# KiCad board led_res_0603_order.kicad_pcb
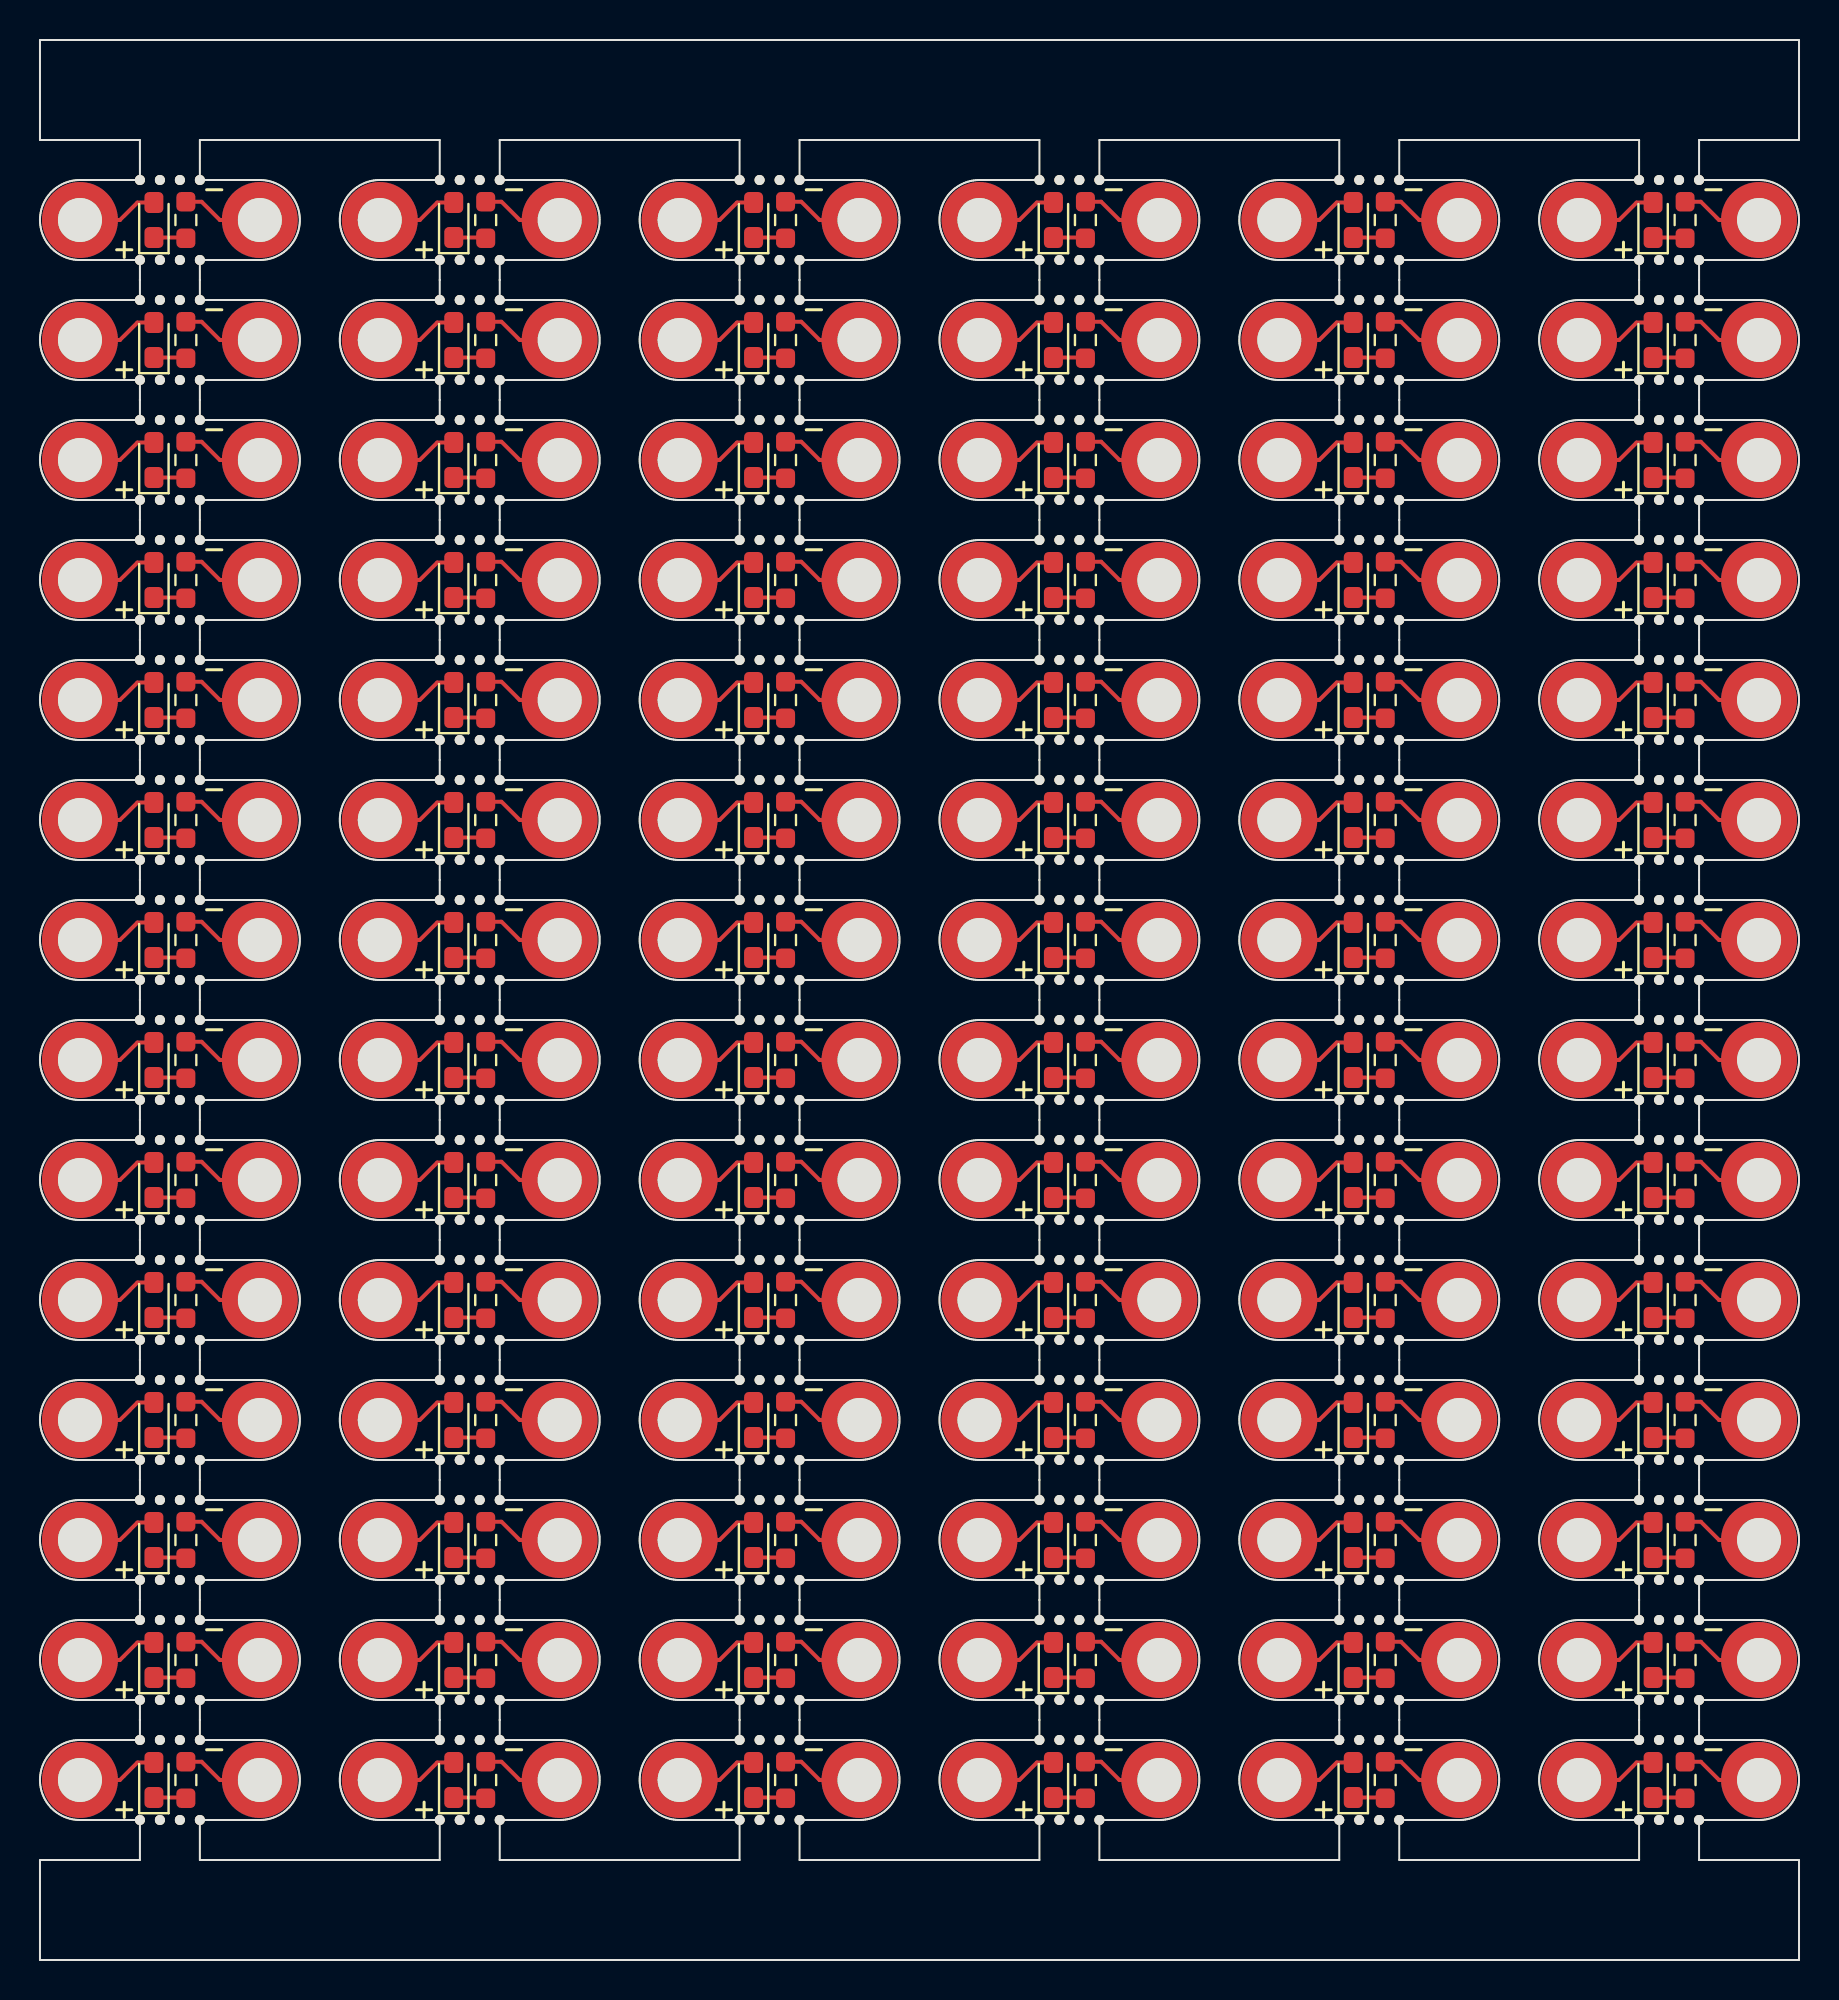
[diagram p0: board, top side]
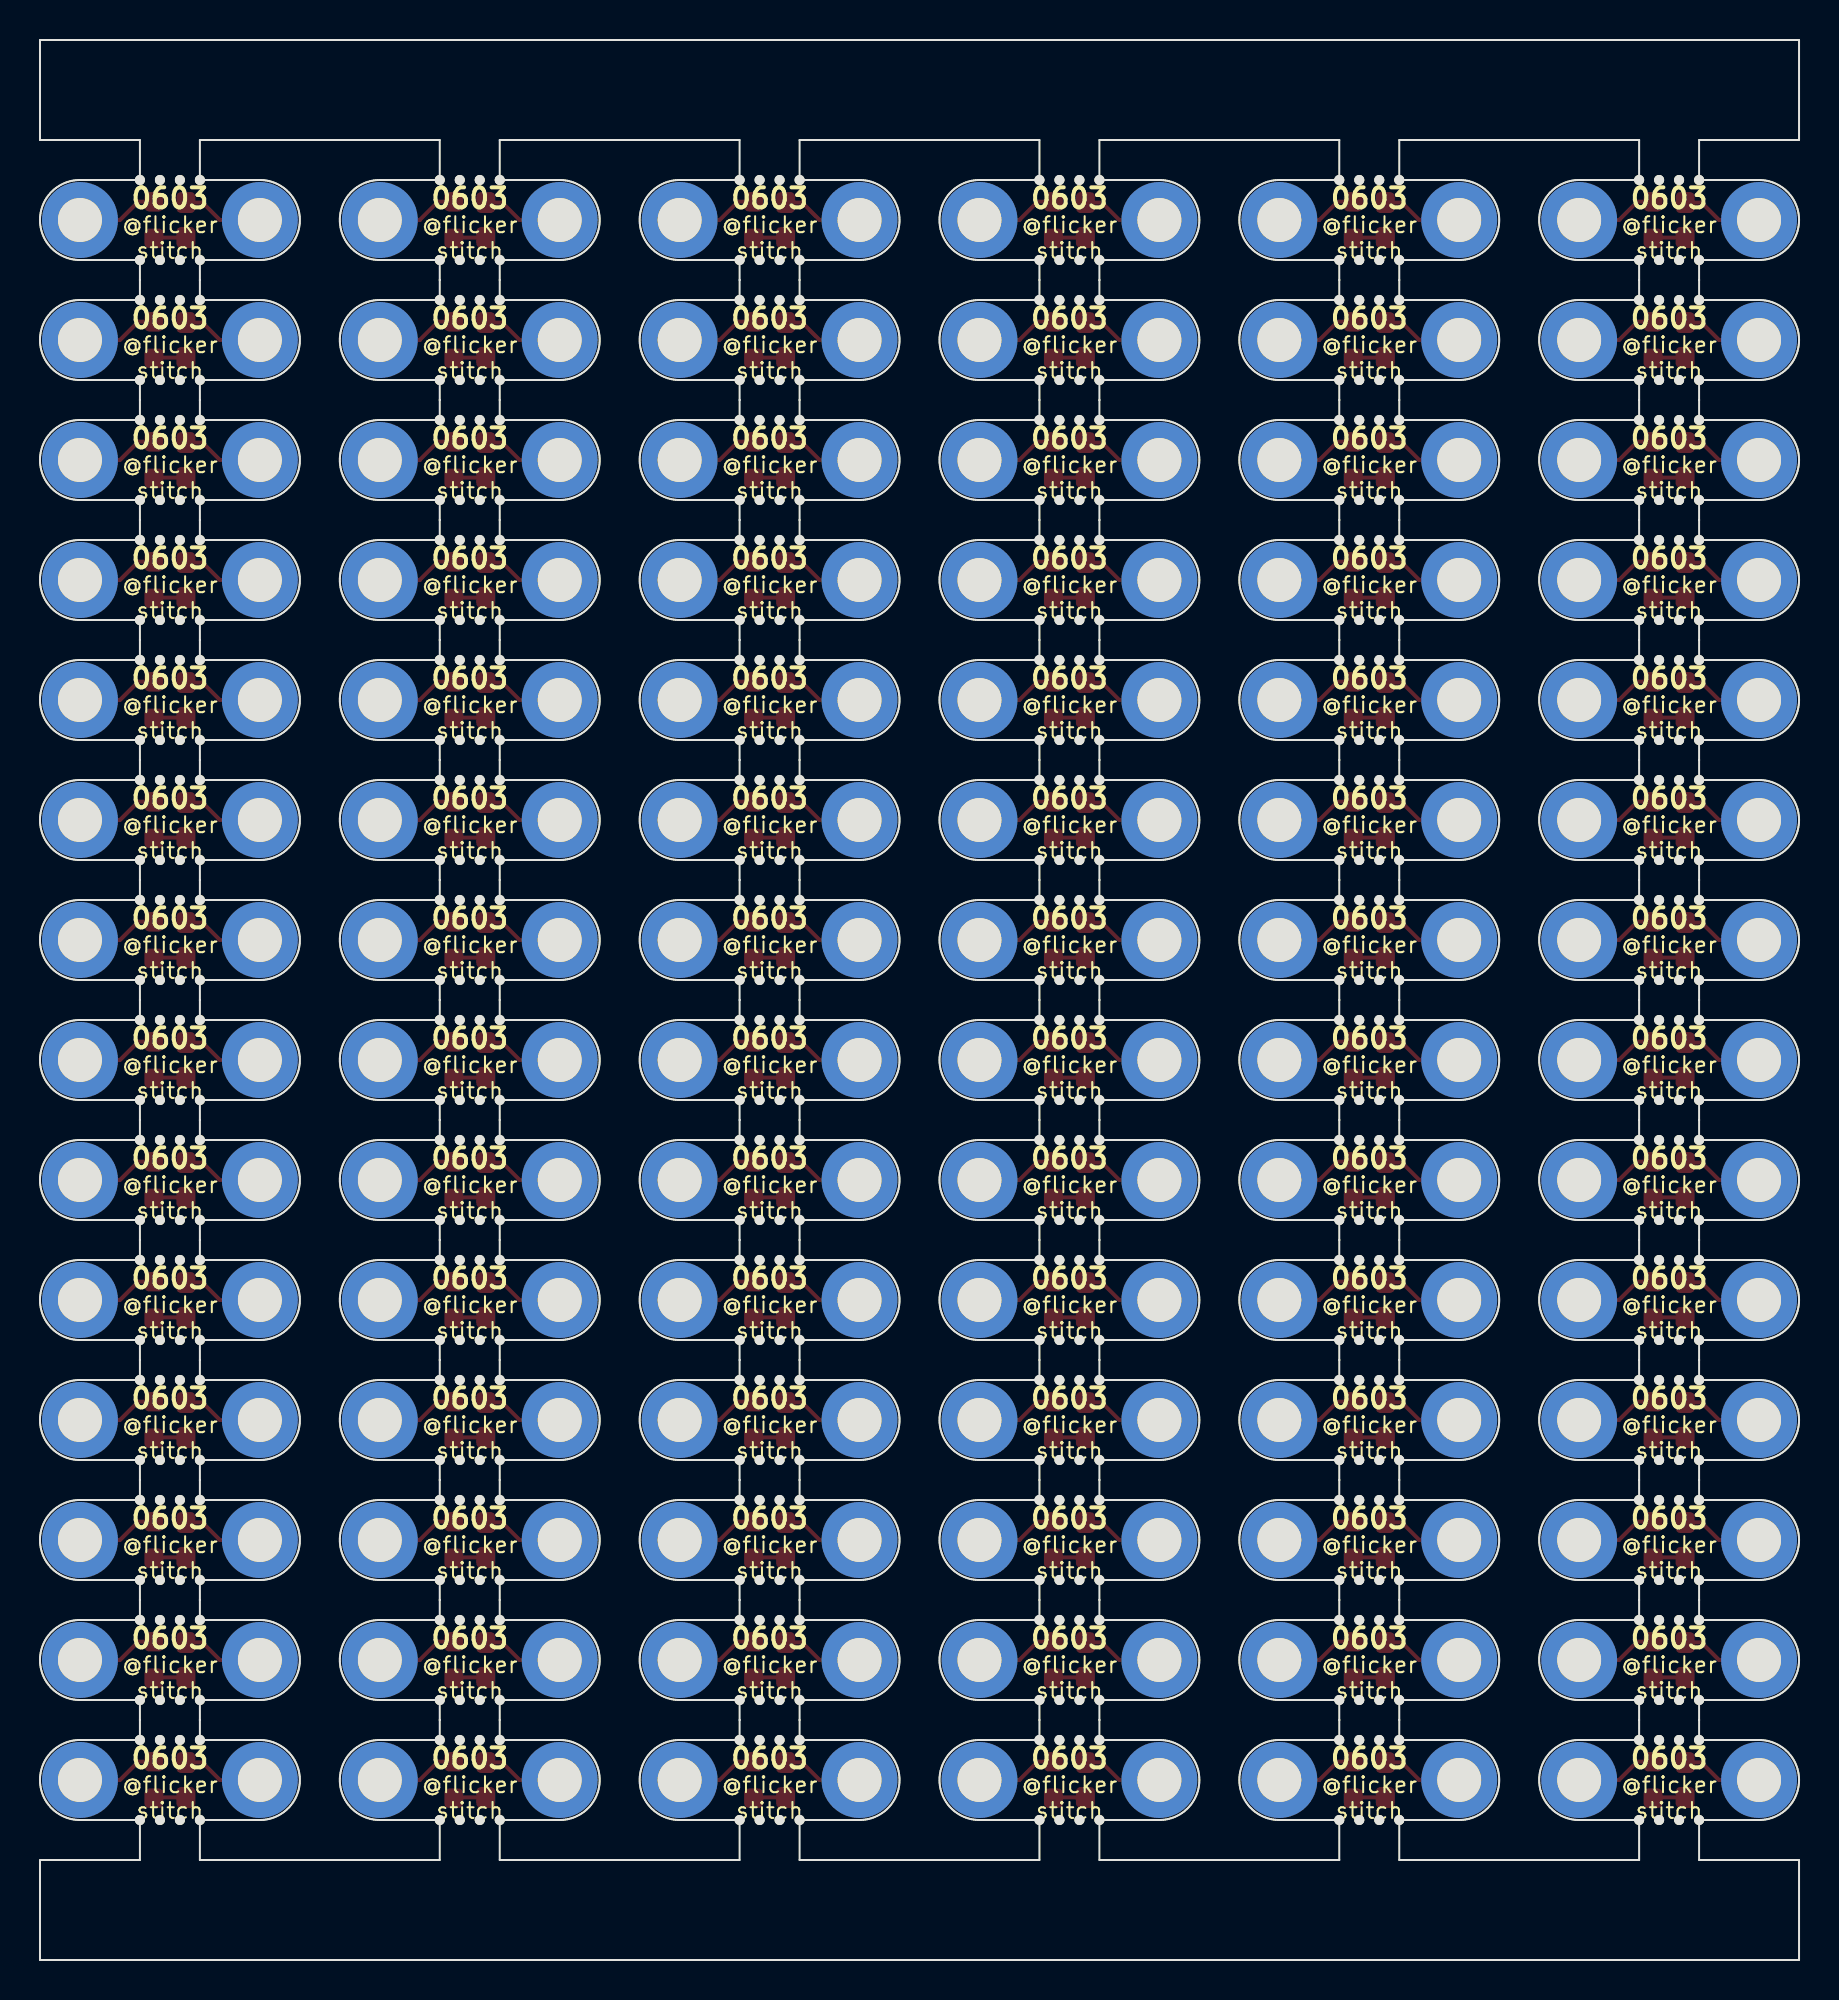
[diagram p1: board, bottom side, seen from below]

Outline 88 x 96 mm; copper layers: Top, Bottom. Coordinates in mm from the lower left corner of the outline.

## Placement (name value [footprint] x y rotation side)
D1  LED  [LED_0603_1608Metric_Pad1.05x0.95mm_HandSolder]  5.7 51 90 top
D1#2  LED  [LED_0603_1608Metric_Pad1.05x0.95mm_HandSolder]  80.7 9 90 top
D1#3  LED  [LED_0603_1608Metric_Pad1.05x0.95mm_HandSolder]  80.7 15 90 top
D1#4  LED  [LED_0603_1608Metric_Pad1.05x0.95mm_HandSolder]  65.7 57 90 top
D1#5  LED  [LED_0603_1608Metric_Pad1.05x0.95mm_HandSolder]  20.7 27 90 top
D1#6  LED  [LED_0603_1608Metric_Pad1.05x0.95mm_HandSolder]  65.7 63 90 top
D1#7  LED  [LED_0603_1608Metric_Pad1.05x0.95mm_HandSolder]  5.7 81 90 top
D1#8  LED  [LED_0603_1608Metric_Pad1.05x0.95mm_HandSolder]  65.7 33 90 top
D1#9  LED  [LED_0603_1608Metric_Pad1.05x0.95mm_HandSolder]  5.7 27 90 top
D1#10  LED  [LED_0603_1608Metric_Pad1.05x0.95mm_HandSolder]  80.7 63 90 top
D1#11  LED  [LED_0603_1608Metric_Pad1.05x0.95mm_HandSolder]  20.7 81 90 top
D1#12  LED  [LED_0603_1608Metric_Pad1.05x0.95mm_HandSolder]  35.7 45 90 top
D1#13  LED  [LED_0603_1608Metric_Pad1.05x0.95mm_HandSolder]  35.7 63 90 top
D1#14  LED  [LED_0603_1608Metric_Pad1.05x0.95mm_HandSolder]  35.7 33 90 top
D1#15  LED  [LED_0603_1608Metric_Pad1.05x0.95mm_HandSolder]  50.7 75 90 top
D1#16  LED  [LED_0603_1608Metric_Pad1.05x0.95mm_HandSolder]  5.7 21 90 top
D1#17  LED  [LED_0603_1608Metric_Pad1.05x0.95mm_HandSolder]  65.7 39 90 top
D1#18  LED  [LED_0603_1608Metric_Pad1.05x0.95mm_HandSolder]  50.7 45 90 top
D1#19  LED  [LED_0603_1608Metric_Pad1.05x0.95mm_HandSolder]  20.7 39 90 top
D1#20  LED  [LED_0603_1608Metric_Pad1.05x0.95mm_HandSolder]  5.7 57 90 top
D1#21  LED  [LED_0603_1608Metric_Pad1.05x0.95mm_HandSolder]  35.7 69 90 top
D1#22  LED  [LED_0603_1608Metric_Pad1.05x0.95mm_HandSolder]  50.7 87 90 top
D1#23  LED  [LED_0603_1608Metric_Pad1.05x0.95mm_HandSolder]  20.7 21 90 top
D1#24  LED  [LED_0603_1608Metric_Pad1.05x0.95mm_HandSolder]  50.7 9 90 top
D1#25  LED  [LED_0603_1608Metric_Pad1.05x0.95mm_HandSolder]  35.7 87 90 top
D1#26  LED  [LED_0603_1608Metric_Pad1.05x0.95mm_HandSolder]  5.7 33 90 top
D1#27  LED  [LED_0603_1608Metric_Pad1.05x0.95mm_HandSolder]  65.7 69 90 top
D1#28  LED  [LED_0603_1608Metric_Pad1.05x0.95mm_HandSolder]  5.7 69 90 top
D1#29  LED  [LED_0603_1608Metric_Pad1.05x0.95mm_HandSolder]  20.7 9 90 top
D1#30  LED  [LED_0603_1608Metric_Pad1.05x0.95mm_HandSolder]  35.7 9 90 top
D1#31  LED  [LED_0603_1608Metric_Pad1.05x0.95mm_HandSolder]  35.7 21 90 top
D1#32  LED  [LED_0603_1608Metric_Pad1.05x0.95mm_HandSolder]  80.7 27 90 top
D1#33  LED  [LED_0603_1608Metric_Pad1.05x0.95mm_HandSolder]  5.7 75 90 top
D1#34  LED  [LED_0603_1608Metric_Pad1.05x0.95mm_HandSolder]  80.7 51 90 top
D1#35  LED  [LED_0603_1608Metric_Pad1.05x0.95mm_HandSolder]  80.7 87 90 top
D1#36  LED  [LED_0603_1608Metric_Pad1.05x0.95mm_HandSolder]  35.7 81 90 top
D1#37  LED  [LED_0603_1608Metric_Pad1.05x0.95mm_HandSolder]  50.7 63 90 top
D1#38  LED  [LED_0603_1608Metric_Pad1.05x0.95mm_HandSolder]  65.7 21 90 top
D1#39  LED  [LED_0603_1608Metric_Pad1.05x0.95mm_HandSolder]  65.7 27 90 top
D1#40  LED  [LED_0603_1608Metric_Pad1.05x0.95mm_HandSolder]  35.7 15 90 top
D1#41  LED  [LED_0603_1608Metric_Pad1.05x0.95mm_HandSolder]  50.7 21 90 top
D1#42  LED  [LED_0603_1608Metric_Pad1.05x0.95mm_HandSolder]  50.7 39 90 top
D1#43  LED  [LED_0603_1608Metric_Pad1.05x0.95mm_HandSolder]  20.7 63 90 top
D1#44  LED  [LED_0603_1608Metric_Pad1.05x0.95mm_HandSolder]  80.7 45 90 top
D1#45  LED  [LED_0603_1608Metric_Pad1.05x0.95mm_HandSolder]  5.7 15 90 top
D1#46  LED  [LED_0603_1608Metric_Pad1.05x0.95mm_HandSolder]  65.7 87 90 top
D1#47  LED  [LED_0603_1608Metric_Pad1.05x0.95mm_HandSolder]  80.7 21 90 top
D1#48  LED  [LED_0603_1608Metric_Pad1.05x0.95mm_HandSolder]  20.7 57 90 top
D1#49  LED  [LED_0603_1608Metric_Pad1.05x0.95mm_HandSolder]  65.7 81 90 top
D1#50  LED  [LED_0603_1608Metric_Pad1.05x0.95mm_HandSolder]  80.7 81 90 top
D1#51  LED  [LED_0603_1608Metric_Pad1.05x0.95mm_HandSolder]  65.7 45 90 top
D1#52  LED  [LED_0603_1608Metric_Pad1.05x0.95mm_HandSolder]  80.7 39 90 top
D1#53  LED  [LED_0603_1608Metric_Pad1.05x0.95mm_HandSolder]  20.7 69 90 top
D1#54  LED  [LED_0603_1608Metric_Pad1.05x0.95mm_HandSolder]  35.7 57 90 top
D1#55  LED  [LED_0603_1608Metric_Pad1.05x0.95mm_HandSolder]  50.7 81 90 top
D1#56  LED  [LED_0603_1608Metric_Pad1.05x0.95mm_HandSolder]  5.7 87 90 top
D1#57  LED  [LED_0603_1608Metric_Pad1.05x0.95mm_HandSolder]  50.7 15 90 top
D1#58  LED  [LED_0603_1608Metric_Pad1.05x0.95mm_HandSolder]  5.7 45 90 top
D1#59  LED  [LED_0603_1608Metric_Pad1.05x0.95mm_HandSolder]  20.7 75 90 top
D1#60  LED  [LED_0603_1608Metric_Pad1.05x0.95mm_HandSolder]  65.7 51 90 top
D1#61  LED  [LED_0603_1608Metric_Pad1.05x0.95mm_HandSolder]  20.7 51 90 top
D1#62  LED  [LED_0603_1608Metric_Pad1.05x0.95mm_HandSolder]  35.7 27 90 top
D1#63  LED  [LED_0603_1608Metric_Pad1.05x0.95mm_HandSolder]  80.7 69 90 top
D1#64  LED  [LED_0603_1608Metric_Pad1.05x0.95mm_HandSolder]  65.7 15 90 top
D1#65  LED  [LED_0603_1608Metric_Pad1.05x0.95mm_HandSolder]  35.7 75 90 top
D1#66  LED  [LED_0603_1608Metric_Pad1.05x0.95mm_HandSolder]  20.7 45 90 top
D1#67  LED  [LED_0603_1608Metric_Pad1.05x0.95mm_HandSolder]  50.7 69 90 top
D1#68  LED  [LED_0603_1608Metric_Pad1.05x0.95mm_HandSolder]  20.7 87 90 top
D1#69  LED  [LED_0603_1608Metric_Pad1.05x0.95mm_HandSolder]  80.7 75 90 top
D1#70  LED  [LED_0603_1608Metric_Pad1.05x0.95mm_HandSolder]  20.7 33 90 top
D1#71  LED  [LED_0603_1608Metric_Pad1.05x0.95mm_HandSolder]  5.7 39 90 top
D1#72  LED  [LED_0603_1608Metric_Pad1.05x0.95mm_HandSolder]  5.7 9 90 top
D1#73  LED  [LED_0603_1608Metric_Pad1.05x0.95mm_HandSolder]  80.7 57 90 top
D1#74  LED  [LED_0603_1608Metric_Pad1.05x0.95mm_HandSolder]  65.7 75 90 top
D1#75  LED  [LED_0603_1608Metric_Pad1.05x0.95mm_HandSolder]  80.7 33 90 top
D1#76  LED  [LED_0603_1608Metric_Pad1.05x0.95mm_HandSolder]  35.7 39 90 top
D1#77  LED  [LED_0603_1608Metric_Pad1.05x0.95mm_HandSolder]  35.7 51 90 top
D1#78  LED  [LED_0603_1608Metric_Pad1.05x0.95mm_HandSolder]  50.7 27 90 top
D1#79  LED  [LED_0603_1608Metric_Pad1.05x0.95mm_HandSolder]  5.7 63 90 top
D1#80  LED  [LED_0603_1608Metric_Pad1.05x0.95mm_HandSolder]  20.7 15 90 top
D1#81  LED  [LED_0603_1608Metric_Pad1.05x0.95mm_HandSolder]  50.7 33 90 top
D1#82  LED  [LED_0603_1608Metric_Pad1.05x0.95mm_HandSolder]  50.7 57 90 top
D1#83  LED  [LED_0603_1608Metric_Pad1.05x0.95mm_HandSolder]  65.7 9 90 top
D1#84  LED  [LED_0603_1608Metric_Pad1.05x0.95mm_HandSolder]  50.7 51 90 top
H1  MountingHole_Pad  [MountingHole_2.2mm_M2_DIN965_Pad_TopBottom]  62 63 0 top
H1#2  MountingHole_Pad  [MountingHole_2.2mm_M2_DIN965_Pad_TopBottom]  77 51 0 top
H1#3  MountingHole_Pad  [MountingHole_2.2mm_M2_DIN965_Pad_TopBottom]  2 81 0 top
H1#4  MountingHole_Pad  [MountingHole_2.2mm_M2_DIN965_Pad_TopBottom]  17 39 0 top
H1#5  MountingHole_Pad  [MountingHole_2.2mm_M2_DIN965_Pad_TopBottom]  77 15 0 top
H1#6  MountingHole_Pad  [MountingHole_2.2mm_M2_DIN965_Pad_TopBottom]  32 27 0 top
H1#7  MountingHole_Pad  [MountingHole_2.2mm_M2_DIN965_Pad_TopBottom]  77 27 0 top
H1#8  MountingHole_Pad  [MountingHole_2.2mm_M2_DIN965_Pad_TopBottom]  2 63 0 top
H1#9  MountingHole_Pad  [MountingHole_2.2mm_M2_DIN965_Pad_TopBottom]  2 27 0 top
H1#10  MountingHole_Pad  [MountingHole_2.2mm_M2_DIN965_Pad_TopBottom]  17 9 0 top
H1#11  MountingHole_Pad  [MountingHole_2.2mm_M2_DIN965_Pad_TopBottom]  62 57 0 top
H1#12  MountingHole_Pad  [MountingHole_2.2mm_M2_DIN965_Pad_TopBottom]  2 21 0 top
H1#13  MountingHole_Pad  [MountingHole_2.2mm_M2_DIN965_Pad_TopBottom]  17 57 0 top
H1#14  MountingHole_Pad  [MountingHole_2.2mm_M2_DIN965_Pad_TopBottom]  17 51 0 top
H1#15  MountingHole_Pad  [MountingHole_2.2mm_M2_DIN965_Pad_TopBottom]  47 15 0 top
H1#16  MountingHole_Pad  [MountingHole_2.2mm_M2_DIN965_Pad_TopBottom]  47 21 0 top
H1#17  MountingHole_Pad  [MountingHole_2.2mm_M2_DIN965_Pad_TopBottom]  77 87 0 top
H1#18  MountingHole_Pad  [MountingHole_2.2mm_M2_DIN965_Pad_TopBottom]  47 81 0 top
H1#19  MountingHole_Pad  [MountingHole_2.2mm_M2_DIN965_Pad_TopBottom]  17 33 0 top
H1#20  MountingHole_Pad  [MountingHole_2.2mm_M2_DIN965_Pad_TopBottom]  47 9 0 top
H1#21  MountingHole_Pad  [MountingHole_2.2mm_M2_DIN965_Pad_TopBottom]  32 57 0 top
H1#22  MountingHole_Pad  [MountingHole_2.2mm_M2_DIN965_Pad_TopBottom]  32 51 0 top
H1#23  MountingHole_Pad  [MountingHole_2.2mm_M2_DIN965_Pad_TopBottom]  47 45 0 top
H1#24  MountingHole_Pad  [MountingHole_2.2mm_M2_DIN965_Pad_TopBottom]  62 45 0 top
H1#25  MountingHole_Pad  [MountingHole_2.2mm_M2_DIN965_Pad_TopBottom]  62 33 0 top
H1#26  MountingHole_Pad  [MountingHole_2.2mm_M2_DIN965_Pad_TopBottom]  47 63 0 top
H1#27  MountingHole_Pad  [MountingHole_2.2mm_M2_DIN965_Pad_TopBottom]  77 81 0 top
H1#28  MountingHole_Pad  [MountingHole_2.2mm_M2_DIN965_Pad_TopBottom]  77 21 0 top
H1#29  MountingHole_Pad  [MountingHole_2.2mm_M2_DIN965_Pad_TopBottom]  17 21 0 top
H1#30  MountingHole_Pad  [MountingHole_2.2mm_M2_DIN965_Pad_TopBottom]  17 15 0 top
H1#31  MountingHole_Pad  [MountingHole_2.2mm_M2_DIN965_Pad_TopBottom]  32 81 0 top
H1#32  MountingHole_Pad  [MountingHole_2.2mm_M2_DIN965_Pad_TopBottom]  62 39 0 top
H1#33  MountingHole_Pad  [MountingHole_2.2mm_M2_DIN965_Pad_TopBottom]  47 87 0 top
H1#34  MountingHole_Pad  [MountingHole_2.2mm_M2_DIN965_Pad_TopBottom]  62 15 0 top
H1#35  MountingHole_Pad  [MountingHole_2.2mm_M2_DIN965_Pad_TopBottom]  17 81 0 top
H1#36  MountingHole_Pad  [MountingHole_2.2mm_M2_DIN965_Pad_TopBottom]  2 69 0 top
H1#37  MountingHole_Pad  [MountingHole_2.2mm_M2_DIN965_Pad_TopBottom]  77 57 0 top
H1#38  MountingHole_Pad  [MountingHole_2.2mm_M2_DIN965_Pad_TopBottom]  77 9 0 top
H1#39  MountingHole_Pad  [MountingHole_2.2mm_M2_DIN965_Pad_TopBottom]  77 39 0 top
H1#40  MountingHole_Pad  [MountingHole_2.2mm_M2_DIN965_Pad_TopBottom]  2 9 0 top
H1#41  MountingHole_Pad  [MountingHole_2.2mm_M2_DIN965_Pad_TopBottom]  32 69 0 top
H1#42  MountingHole_Pad  [MountingHole_2.2mm_M2_DIN965_Pad_TopBottom]  62 21 0 top
H1#43  MountingHole_Pad  [MountingHole_2.2mm_M2_DIN965_Pad_TopBottom]  2 57 0 top
H1#44  MountingHole_Pad  [MountingHole_2.2mm_M2_DIN965_Pad_TopBottom]  32 21 0 top
H1#45  MountingHole_Pad  [MountingHole_2.2mm_M2_DIN965_Pad_TopBottom]  17 63 0 top
H1#46  MountingHole_Pad  [MountingHole_2.2mm_M2_DIN965_Pad_TopBottom]  77 63 0 top
H1#47  MountingHole_Pad  [MountingHole_2.2mm_M2_DIN965_Pad_TopBottom]  62 75 0 top
H1#48  MountingHole_Pad  [MountingHole_2.2mm_M2_DIN965_Pad_TopBottom]  62 27 0 top
H1#49  MountingHole_Pad  [MountingHole_2.2mm_M2_DIN965_Pad_TopBottom]  32 75 0 top
H1#50  MountingHole_Pad  [MountingHole_2.2mm_M2_DIN965_Pad_TopBottom]  47 27 0 top
H1#51  MountingHole_Pad  [MountingHole_2.2mm_M2_DIN965_Pad_TopBottom]  32 39 0 top
H1#52  MountingHole_Pad  [MountingHole_2.2mm_M2_DIN965_Pad_TopBottom]  62 69 0 top
H1#53  MountingHole_Pad  [MountingHole_2.2mm_M2_DIN965_Pad_TopBottom]  47 69 0 top
H1#54  MountingHole_Pad  [MountingHole_2.2mm_M2_DIN965_Pad_TopBottom]  32 87 0 top
H1#55  MountingHole_Pad  [MountingHole_2.2mm_M2_DIN965_Pad_TopBottom]  2 45 0 top
H1#56  MountingHole_Pad  [MountingHole_2.2mm_M2_DIN965_Pad_TopBottom]  17 45 0 top
H1#57  MountingHole_Pad  [MountingHole_2.2mm_M2_DIN965_Pad_TopBottom]  77 45 0 top
H1#58  MountingHole_Pad  [MountingHole_2.2mm_M2_DIN965_Pad_TopBottom]  62 51 0 top
H1#59  MountingHole_Pad  [MountingHole_2.2mm_M2_DIN965_Pad_TopBottom]  2 39 0 top
H1#60  MountingHole_Pad  [MountingHole_2.2mm_M2_DIN965_Pad_TopBottom]  32 9 0 top
H1#61  MountingHole_Pad  [MountingHole_2.2mm_M2_DIN965_Pad_TopBottom]  2 33 0 top
H1#62  MountingHole_Pad  [MountingHole_2.2mm_M2_DIN965_Pad_TopBottom]  47 75 0 top
H1#63  MountingHole_Pad  [MountingHole_2.2mm_M2_DIN965_Pad_TopBottom]  47 33 0 top
H1#64  MountingHole_Pad  [MountingHole_2.2mm_M2_DIN965_Pad_TopBottom]  17 75 0 top
H1#65  MountingHole_Pad  [MountingHole_2.2mm_M2_DIN965_Pad_TopBottom]  17 87 0 top
H1#66  MountingHole_Pad  [MountingHole_2.2mm_M2_DIN965_Pad_TopBottom]  32 15 0 top
H1#67  MountingHole_Pad  [MountingHole_2.2mm_M2_DIN965_Pad_TopBottom]  32 33 0 top
H1#68  MountingHole_Pad  [MountingHole_2.2mm_M2_DIN965_Pad_TopBottom]  2 51 0 top
H1#69  MountingHole_Pad  [MountingHole_2.2mm_M2_DIN965_Pad_TopBottom]  47 51 0 top
H1#70  MountingHole_Pad  [MountingHole_2.2mm_M2_DIN965_Pad_TopBottom]  62 87 0 top
H1#71  MountingHole_Pad  [MountingHole_2.2mm_M2_DIN965_Pad_TopBottom]  62 81 0 top
H1#72  MountingHole_Pad  [MountingHole_2.2mm_M2_DIN965_Pad_TopBottom]  2 87 0 top
H1#73  MountingHole_Pad  [MountingHole_2.2mm_M2_DIN965_Pad_TopBottom]  2 75 0 top
H1#74  MountingHole_Pad  [MountingHole_2.2mm_M2_DIN965_Pad_TopBottom]  47 57 0 top
H1#75  MountingHole_Pad  [MountingHole_2.2mm_M2_DIN965_Pad_TopBottom]  47 39 0 top
H1#76  MountingHole_Pad  [MountingHole_2.2mm_M2_DIN965_Pad_TopBottom]  17 69 0 top
H1#77  MountingHole_Pad  [MountingHole_2.2mm_M2_DIN965_Pad_TopBottom]  77 33 0 top
H1#78  MountingHole_Pad  [MountingHole_2.2mm_M2_DIN965_Pad_TopBottom]  17 27 0 top
H1#79  MountingHole_Pad  [MountingHole_2.2mm_M2_DIN965_Pad_TopBottom]  77 69 0 top
H1#80  MountingHole_Pad  [MountingHole_2.2mm_M2_DIN965_Pad_TopBottom]  62 9 0 top
H1#81  MountingHole_Pad  [MountingHole_2.2mm_M2_DIN965_Pad_TopBottom]  32 45 0 top
H1#82  MountingHole_Pad  [MountingHole_2.2mm_M2_DIN965_Pad_TopBottom]  32 63 0 top
H1#83  MountingHole_Pad  [MountingHole_2.2mm_M2_DIN965_Pad_TopBottom]  77 75 0 top
H1#84  MountingHole_Pad  [MountingHole_2.2mm_M2_DIN965_Pad_TopBottom]  2 15 0 top
H2  MountingHole_Pad  [MountingHole_2.2mm_M2_DIN965_Pad_TopBottom]  26 9 0 top
H2#2  MountingHole_Pad  [MountingHole_2.2mm_M2_DIN965_Pad_TopBottom]  86 21 0 top
H2#3  MountingHole_Pad  [MountingHole_2.2mm_M2_DIN965_Pad_TopBottom]  56 75 0 top
H2#4  MountingHole_Pad  [MountingHole_2.2mm_M2_DIN965_Pad_TopBottom]  71 87 0 top
H2#5  MountingHole_Pad  [MountingHole_2.2mm_M2_DIN965_Pad_TopBottom]  86 51 0 top
H2#6  MountingHole_Pad  [MountingHole_2.2mm_M2_DIN965_Pad_TopBottom]  26 15 0 top
H2#7  MountingHole_Pad  [MountingHole_2.2mm_M2_DIN965_Pad_TopBottom]  56 51 0 top
H2#8  MountingHole_Pad  [MountingHole_2.2mm_M2_DIN965_Pad_TopBottom]  71 57 0 top
H2#9  MountingHole_Pad  [MountingHole_2.2mm_M2_DIN965_Pad_TopBottom]  11 63 0 top
H2#10  MountingHole_Pad  [MountingHole_2.2mm_M2_DIN965_Pad_TopBottom]  86 63 0 top
H2#11  MountingHole_Pad  [MountingHole_2.2mm_M2_DIN965_Pad_TopBottom]  56 87 0 top
H2#12  MountingHole_Pad  [MountingHole_2.2mm_M2_DIN965_Pad_TopBottom]  41 51 0 top
H2#13  MountingHole_Pad  [MountingHole_2.2mm_M2_DIN965_Pad_TopBottom]  11 33 0 top
H2#14  MountingHole_Pad  [MountingHole_2.2mm_M2_DIN965_Pad_TopBottom]  86 45 0 top
H2#15  MountingHole_Pad  [MountingHole_2.2mm_M2_DIN965_Pad_TopBottom]  41 75 0 top
H2#16  MountingHole_Pad  [MountingHole_2.2mm_M2_DIN965_Pad_TopBottom]  11 51 0 top
H2#17  MountingHole_Pad  [MountingHole_2.2mm_M2_DIN965_Pad_TopBottom]  71 81 0 top
H2#18  MountingHole_Pad  [MountingHole_2.2mm_M2_DIN965_Pad_TopBottom]  41 15 0 top
H2#19  MountingHole_Pad  [MountingHole_2.2mm_M2_DIN965_Pad_TopBottom]  26 75 0 top
H2#20  MountingHole_Pad  [MountingHole_2.2mm_M2_DIN965_Pad_TopBottom]  86 27 0 top
H2#21  MountingHole_Pad  [MountingHole_2.2mm_M2_DIN965_Pad_TopBottom]  71 51 0 top
H2#22  MountingHole_Pad  [MountingHole_2.2mm_M2_DIN965_Pad_TopBottom]  56 9 0 top
H2#23  MountingHole_Pad  [MountingHole_2.2mm_M2_DIN965_Pad_TopBottom]  56 21 0 top
H2#24  MountingHole_Pad  [MountingHole_2.2mm_M2_DIN965_Pad_TopBottom]  86 57 0 top
H2#25  MountingHole_Pad  [MountingHole_2.2mm_M2_DIN965_Pad_TopBottom]  11 27 0 top
H2#26  MountingHole_Pad  [MountingHole_2.2mm_M2_DIN965_Pad_TopBottom]  86 87 0 top
H2#27  MountingHole_Pad  [MountingHole_2.2mm_M2_DIN965_Pad_TopBottom]  41 69 0 top
H2#28  MountingHole_Pad  [MountingHole_2.2mm_M2_DIN965_Pad_TopBottom]  86 69 0 top
H2#29  MountingHole_Pad  [MountingHole_2.2mm_M2_DIN965_Pad_TopBottom]  71 39 0 top
H2#30  MountingHole_Pad  [MountingHole_2.2mm_M2_DIN965_Pad_TopBottom]  11 75 0 top
H2#31  MountingHole_Pad  [MountingHole_2.2mm_M2_DIN965_Pad_TopBottom]  41 45 0 top
H2#32  MountingHole_Pad  [MountingHole_2.2mm_M2_DIN965_Pad_TopBottom]  41 9 0 top
H2#33  MountingHole_Pad  [MountingHole_2.2mm_M2_DIN965_Pad_TopBottom]  56 45 0 top
H2#34  MountingHole_Pad  [MountingHole_2.2mm_M2_DIN965_Pad_TopBottom]  86 81 0 top
H2#35  MountingHole_Pad  [MountingHole_2.2mm_M2_DIN965_Pad_TopBottom]  11 57 0 top
H2#36  MountingHole_Pad  [MountingHole_2.2mm_M2_DIN965_Pad_TopBottom]  26 69 0 top
H2#37  MountingHole_Pad  [MountingHole_2.2mm_M2_DIN965_Pad_TopBottom]  26 45 0 top
H2#38  MountingHole_Pad  [MountingHole_2.2mm_M2_DIN965_Pad_TopBottom]  71 27 0 top
H2#39  MountingHole_Pad  [MountingHole_2.2mm_M2_DIN965_Pad_TopBottom]  86 33 0 top
H2#40  MountingHole_Pad  [MountingHole_2.2mm_M2_DIN965_Pad_TopBottom]  11 81 0 top
H2#41  MountingHole_Pad  [MountingHole_2.2mm_M2_DIN965_Pad_TopBottom]  41 39 0 top
H2#42  MountingHole_Pad  [MountingHole_2.2mm_M2_DIN965_Pad_TopBottom]  86 15 0 top
H2#43  MountingHole_Pad  [MountingHole_2.2mm_M2_DIN965_Pad_TopBottom]  26 27 0 top
H2#44  MountingHole_Pad  [MountingHole_2.2mm_M2_DIN965_Pad_TopBottom]  26 39 0 top
H2#45  MountingHole_Pad  [MountingHole_2.2mm_M2_DIN965_Pad_TopBottom]  56 15 0 top
H2#46  MountingHole_Pad  [MountingHole_2.2mm_M2_DIN965_Pad_TopBottom]  11 45 0 top
H2#47  MountingHole_Pad  [MountingHole_2.2mm_M2_DIN965_Pad_TopBottom]  11 9 0 top
H2#48  MountingHole_Pad  [MountingHole_2.2mm_M2_DIN965_Pad_TopBottom]  71 15 0 top
H2#49  MountingHole_Pad  [MountingHole_2.2mm_M2_DIN965_Pad_TopBottom]  71 9 0 top
H2#50  MountingHole_Pad  [MountingHole_2.2mm_M2_DIN965_Pad_TopBottom]  71 21 0 top
H2#51  MountingHole_Pad  [MountingHole_2.2mm_M2_DIN965_Pad_TopBottom]  41 57 0 top
H2#52  MountingHole_Pad  [MountingHole_2.2mm_M2_DIN965_Pad_TopBottom]  41 21 0 top
H2#53  MountingHole_Pad  [MountingHole_2.2mm_M2_DIN965_Pad_TopBottom]  56 57 0 top
H2#54  MountingHole_Pad  [MountingHole_2.2mm_M2_DIN965_Pad_TopBottom]  86 9 0 top
H2#55  MountingHole_Pad  [MountingHole_2.2mm_M2_DIN965_Pad_TopBottom]  26 21 0 top
H2#56  MountingHole_Pad  [MountingHole_2.2mm_M2_DIN965_Pad_TopBottom]  11 21 0 top
H2#57  MountingHole_Pad  [MountingHole_2.2mm_M2_DIN965_Pad_TopBottom]  56 33 0 top
H2#58  MountingHole_Pad  [MountingHole_2.2mm_M2_DIN965_Pad_TopBottom]  56 81 0 top